# KiCad board RUSP_Mainboard_panelMockup.kicad_pcb (continued)
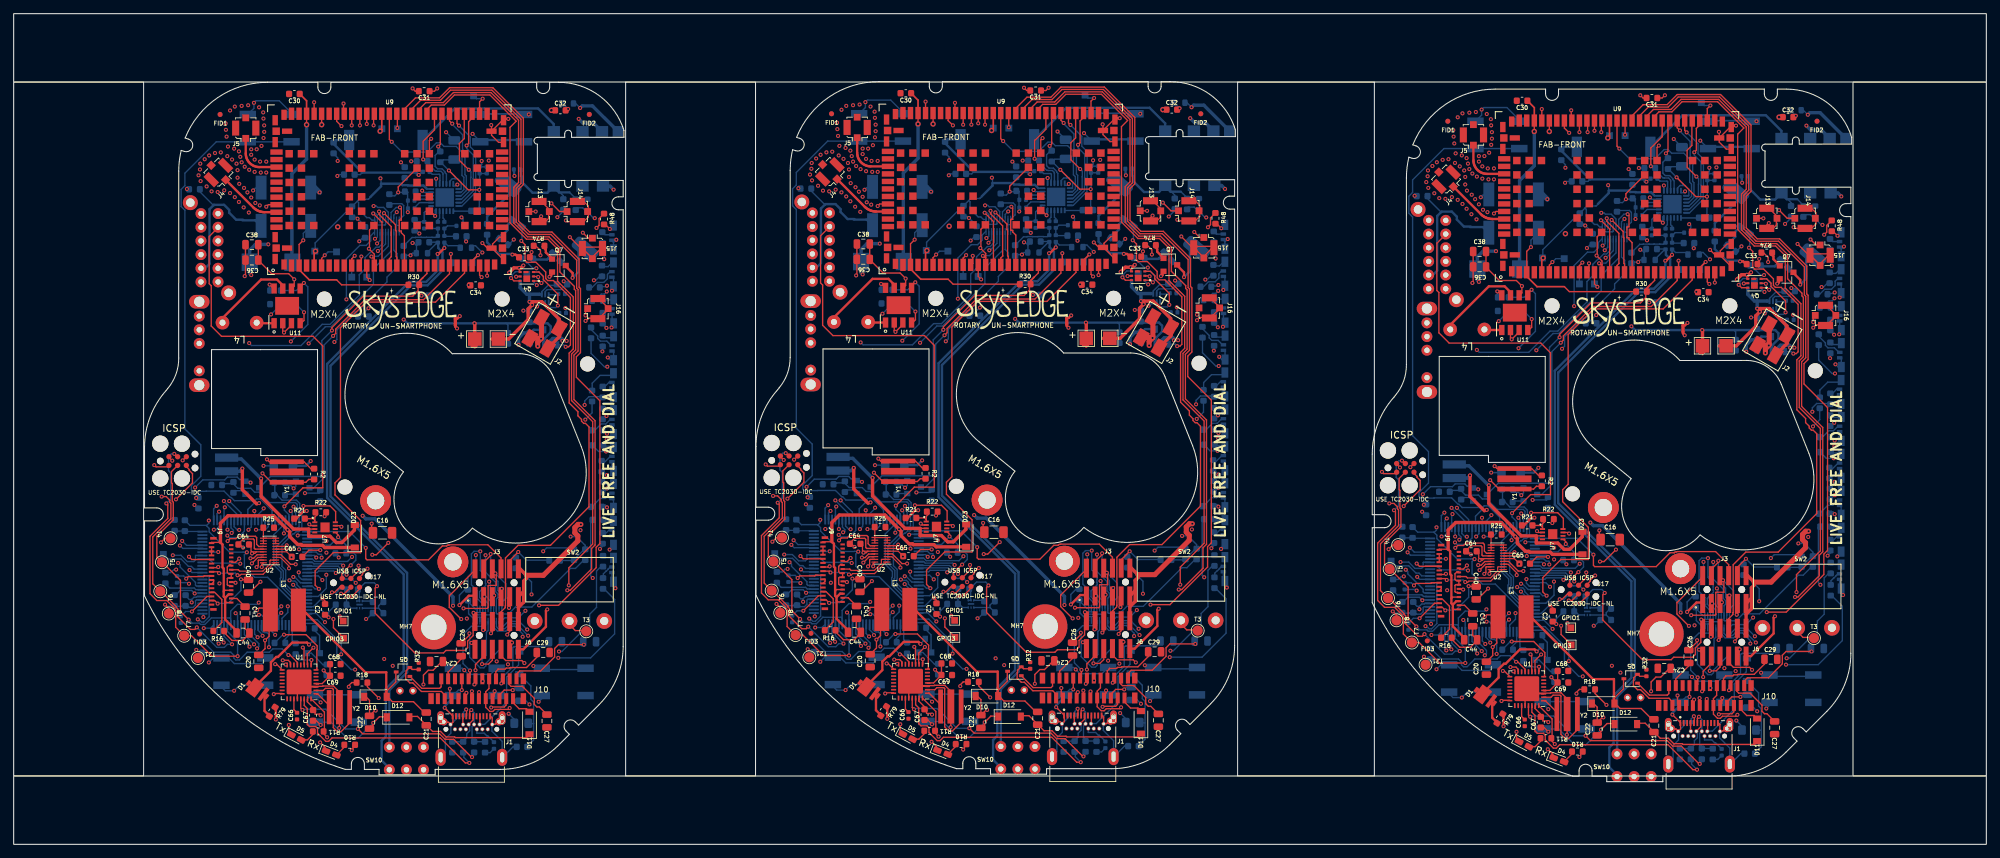
[diagram p0: board, top side]
## Routing (per net, layer and track width the routed paths; a pad name or vN(x,y) marks a point on that pad's centre or on a via; arc(x,y) is an arc through that point) (continued)
  L6_GND.Cu w0.2: v1(83.39,29.21) 83.39,29.66 83.34,29.71 ; v1(172.81,29.31) 172.81,29.76 172.76,29.81 ; v1(262.94,28.22) 262.94,28.67 262.89,28.72
/EPAPER DRIVER/VGH: length 32
  L1_GND+GNDA.Cu w0.2: J10#3.5 153.21,21.66 v1(153.21,22.86) ; v1(59.93,23.38) 59.93,24.75 60.64,25.46 61.34,25.46 62.69,26.81 ; v1(243.34,21.77) 243.34,20.57 J10#2.5 ; 242.24,25.82 240.89,24.47 240.19,24.47 239.48,23.75 v1(239.48,22.39) ; v1(149.35,23.48) 149.35,24.85 150.06,25.56 150.76,25.56 152.11,26.91 ; J10.5 63.79,21.56 v1(63.79,22.76)
  L3_3v8+GNDA.Cu w0.2: v1(149.35,23.48) 149.97,22.86 v1(153.21,22.86) ; v1(239.48,22.39) 240.1,21.77 v1(243.34,21.77) ; v1(59.93,23.38) 60.55,22.76 v1(63.79,22.76)
/EPAPER DRIVER/VGL: length 12.1
  L1_GND+GNDA.Cu w0.2: 65.44,27.46 65.44,27.11 63.54,25.21 63.54,24.21 ; J10#3.4 152.96,25.31 154.86,27.21 154.86,27.56 ; J10#2.4 243.09,24.22 244.99,26.12 244.99,26.47
/EPAPER DRIVER/VPP: length 11.9
  L1_GND+GNDA.Cu w0.2: J10#2.19 250.59,20.87 251.29,21.57 v1(252.54,21.57) ; J10.19 71.04,21.86 71.74,22.56 v1(72.99,22.56) ; J10#3.19 160.46,21.96 161.16,22.66 v1(162.41,22.66)
  L6_GND.Cu w0.2: v1(252.54,21.57) 252.84,21.87 253.59,21.87 ; v1(72.99,22.56) 73.29,22.86 74.04,22.86 ; 163.46,22.96 162.71,22.96 v1(162.41,22.66)
/EPAPER DRIVER/VSH: length 34.9
  L6_GND.Cu w0.2: v1(160.74,23.64) 160.74,24.36 162.42,26.04 162.42,28.85 162.56,28.99 162.68,28.99 162.73,29.04 167.19,29.04 167.81,29.66 ; 257.94,28.57 257.31,27.94 252.86,27.94 252.81,27.89 252.68,27.89 252.54,27.75 252.54,24.95 250.86,23.27 v1(250.86,22.54) ; v1(71.31,23.54) 71.31,24.26 73,25.94 73,28.75 73.13,28.89 73.26,28.89 73.31,28.94 77.76,28.94 78.39,29.56
/EPAPER DRIVER/VSL: length 25.7
  L1_GND+GNDA.Cu w0.2: C27.1 76.88,20.09 76.51,20.09 76.14,20.46 76.14,21.36 74.39,23.11 72.74,23.11 72.47,23.39 72.47,24.09 ; C27#3.1 166.3,20.19 165.93,20.19 165.56,20.56 165.56,21.46 163.81,23.21 162.16,23.21 161.89,23.49 161.89,24.19 ; 252.01,23.09 252.01,22.39 252.29,22.12 253.94,22.12 255.69,20.37 255.69,19.47 256.06,19.1 256.43,19.1 C27#2.1
/EPD_BUSY: length 143
  L1_GND+GNDA.Cu w0.2: J10.9 66.04,21.99 v1(66.21,22.16) ; J10#2.9 245.59,20.99 v1(245.76,21.16) ; v1(155.63,22.26) 155.46,22.09 J10#3.9
  L3_3v8+GNDA.Cu w0.2: v1(155.63,22.26) 155.33,21.96 150.06,21.96 145.05,26.96 144.16,26.96 143.71,26.51 138.7,26.51 v1(137.32,27.89) ; v1(47.9,27.79) 49.28,26.41 54.29,26.41 54.74,26.86 55.63,26.86 60.64,21.86 65.91,21.86 v1(66.21,22.16) ; v1(227.45,26.8) 228.83,25.42 233.84,25.42 234.29,25.87 235.18,25.87 240.19,20.86 245.46,20.86 v1(245.76,21.16)
  L6_GND.Cu w0.2: v1(47.9,27.79) 47.9,29.35 44.41,32.84 42.46,32.84 41.89,33.41 41.89,34.92 38.99,37.82 38.99,38.9 39.09,39 39.09,39.82 38.04,40.87 38.04,45.29 39.24,46.49 39.24,47.46 ; 218.79,46.47 218.79,45.5 217.59,44.3 217.59,39.88 218.64,38.83 218.64,38.01 218.54,37.91 218.54,36.83 221.44,33.93 221.44,32.42 222.01,31.84 223.96,31.84 227.45,28.36 v1(227.45,26.8) ; 128.66,47.56 128.66,46.59 127.46,45.39 127.46,40.97 128.51,39.92 128.51,39.1 128.41,39 128.41,37.92 131.31,35.02 131.31,33.51 131.89,32.94 133.83,32.94 137.32,29.45 v1(137.32,27.89)
/EPD_CS: length 187.7
  L3_3v8+GNDA.Cu w0.2: v1(40.93,49.39) 41.74,50.21 47.51,50.21 59.05,38.66 65.38,38.66 v1(69.01,42.29) ; v1(220.48,48.4) 221.29,49.21 227.06,49.21 238.6,37.67 244.93,37.67 v1(248.56,41.3) ; v1(130.35,49.49) 131.17,50.31 136.93,50.31 148.48,38.76 154.8,38.76 v1(158.43,42.39)
  L6_GND.Cu w0.18: U8#3.18 160.01,36 ; 70.59,33.79 70.59,34.45 ; U8#2.18 250.14,34.91 ; U8.18 70.59,35.9 ; 250.14,32.8 250.14,33.46 ; 160.01,33.89 160.01,34.55
  L6_GND.Cu w0.2: v1(220.48,48.4) 220.48,48.15 220.79,47.84 220.79,46.42 ; 250.14,32.8 250.24,32.7 251.91,32.7 252.93,33.72 255.34,33.72 260.99,39.37 261.71,39.37 263.14,40.79 ; v1(40.93,49.39) 40.93,49.14 41.24,48.83 41.24,47.41 ; v1(69.01,42.29) 69.01,39.79 70.47,38.32 70.47,36.98 70.83,36.63 70.83,36.13 70.59,35.9 ; 160.01,33.89 160.11,33.79 161.79,33.79 162.81,34.81 165.21,34.81 170.86,40.46 171.59,40.46 173.01,41.89 ; 70.59,33.79 70.69,33.69 72.36,33.69 73.38,34.71 75.79,34.71 81.44,40.36 82.17,40.36 83.59,41.79 ; 250.14,34.91 250.37,35.14 250.37,35.63 250.02,35.98 250.02,37.33 248.56,38.79 v1(248.56,41.3) ; v1(130.35,49.49) 130.35,49.24 130.66,48.93 130.66,47.51 ; v1(158.43,42.39) 158.43,39.89 159.9,38.42 159.9,37.08 160.25,36.73 160.25,36.24 160.01,36
/EPD_DC: length 120.6
  L3_3v8+GNDA.Cu w0.2: v1(158.96,38.52) 158.12,39.36 157.06,39.36 156.06,38.36 148.3,38.36 138.66,48.01 135.62,48.01 135.16,47.54 134.63,47.54 133.95,48.22 130.59,48.22 v1(129.94,48.86) ; v1(69.54,38.42) 68.7,39.26 67.64,39.26 66.64,38.26 58.88,38.26 49.24,47.91 46.2,47.91 45.73,47.44 45.21,47.44 44.53,48.12 41.16,48.12 v1(40.52,48.76) ; v1(220.07,47.77) 220.71,47.12 224.08,47.12 224.76,46.45 225.28,46.45 225.75,46.91 228.79,46.91 238.43,37.27 246.19,37.27 247.19,38.27 248.25,38.27 v1(249.09,37.43)
  L6_GND.Cu w0.18: U8.17 70.19,35.67 ; U8#3.17 159.61,35.77 ; U8#2.17 249.74,34.68
  L6_GND.Cu w0.2: v1(158.96,38.52) 159.12,38.36 159.12,36.26 159.61,35.77 ; v1(220.07,47.77) 220.29,47.55 220.29,46.42 ; 70.19,35.67 69.7,36.16 69.7,38.26 v1(69.54,38.42) ; v1(40.52,48.76) 40.74,48.54 40.74,47.41 ; 249.74,34.68 249.25,35.16 249.25,37.27 v1(249.09,37.43) ; v1(129.94,48.86) 130.16,48.64 130.16,47.51
/EPD_RESET: length 180.5
  L2_3v3+GNDA.Cu w0.2: 157.59,41.64 157.59,41.83 v1(157.01,42.41) ; 157.59,41.64 154.86,38.91 152.46,38.91 145.79,45.58 136.62,45.58 136.4,45.36 132.06,45.36 131.43,44.73 129.79,44.73 v1(128.94,45.58) ; 157.59,41.64 157.62,41.67 165.57,41.67 v1(166.86,42.96) ; v1(77.44,42.86) 76.15,41.57 68.2,41.57 68.17,41.54 ; 247.72,40.55 247.72,40.74 v1(247.14,41.32) ; 247.72,40.55 244.99,37.82 242.59,37.82 235.92,44.49 226.74,44.49 226.52,44.27 222.19,44.27 221.56,43.64 219.92,43.64 v1(219.07,44.49) ; 247.72,40.55 247.75,40.58 255.7,40.58 v1(256.99,41.87) ; v1(39.52,45.48) 40.37,44.63 42.01,44.63 42.64,45.26 46.98,45.26 47.2,45.48 56.37,45.48 63.04,38.81 65.44,38.81 68.17,41.54 ; 68.17,41.54 68.17,41.73 v1(67.59,42.31)
  L6_GND.Cu w0.18: U8.14 68.99,35.14 ; U8#2.14 248.54,34.15 ; U8#3.14 158.41,35.24
  L6_GND.Cu w0.2: v1(166.86,42.96) 167.36,43.46 171.35,43.46 ; v1(247.14,41.32) 247.14,38.82 246.49,38.17 246.49,36.97 247.34,36.12 247.34,34.97 247.98,34.34 248.35,34.34 248.54,34.15 ; 219.29,46.57 219.29,45.5 219.06,45.27 219.06,44.5 v1(219.07,44.49) ; v1(128.94,45.58) 128.93,45.59 128.93,46.37 129.16,46.6 129.16,47.66 ; v1(67.59,42.31) 67.59,39.82 66.94,39.17 66.94,37.96 67.79,37.11 67.79,35.97 68.43,35.33 68.8,35.33 68.99,35.14 ; 39.74,47.56 39.74,46.5 39.51,46.27 39.51,45.49 v1(39.52,45.48) ; 81.93,43.36 77.94,43.36 v1(77.44,42.86) ; 261.47,42.37 257.49,42.37 v1(256.99,41.87) ; v1(157.01,42.41) 157.01,39.92 156.36,39.27 156.36,38.06 157.21,37.21 157.21,36.07 157.85,35.43 158.22,35.43 158.41,35.24
/GPIO1: length 36.5
  L1_GND+GNDA.Cu w0.2: GPIO1.1 47.69,33.16 v1(47.69,33.35) ; GPIO1#3.1 137.11,33.26 v1(137.11,33.45) ; GPIO1#2.1 227.24,32.16 v1(227.24,32.35)
  L5_3v8.Cu w0.2: v1(219.64,33.82) 220.59,32.87 226.73,32.87 v1(227.24,32.35) ; v1(40.09,34.81) 41.04,33.86 47.18,33.86 v1(47.69,33.35) ; v1(129.51,34.91) 130.46,33.96 136.6,33.96 v1(137.11,33.45)
  L6_GND.Cu w0.2: v1(40.09,34.81) 40.09,33.91 39.24,33.06 39.24,32.11 ; v1(219.64,33.82) 219.64,32.92 218.79,32.07 218.79,31.12 ; 128.66,32.21 128.66,33.16 129.51,34.01 v1(129.51,34.91)
/GPIO3: length 50.1
  L1_GND+GNDA.Cu w0.2: 227.84,29.17 226.31,30.69 v1(226.31,31.97) ; v1(136.19,33.06) 136.19,31.79 137.71,30.26 ; v1(46.76,32.96) 46.76,31.69 48.29,30.16
  L5_3v8.Cu w0.2: v1(218.69,33.82) 219.59,32.92 219.59,31.35 220.02,30.92 225.26,30.92 v1(226.31,31.97) ; v1(136.19,33.06) 135.14,32.01 129.9,32.01 129.46,32.45 129.46,34.01 v1(128.56,34.91) ; v1(39.14,34.81) 40.04,33.91 40.04,32.35 40.48,31.91 45.71,31.91 v1(46.76,32.96)
  L6_GND.Cu w0.2: v1(218.69,33.82) 217.79,32.92 217.79,31.12 ; 127.66,32.21 127.66,34.01 v1(128.56,34.91) ; v1(39.14,34.81) 38.24,33.91 38.24,32.11
/GPIO4: length 19.4
  L6_GND.Cu w0.2: 111.41,42.46 112.04,41.83 113.9,41.83 114.97,40.76 115.4,40.76 115.8,40.36 117.01,40.36 ; 201.54,41.37 202.17,40.74 204.03,40.74 205.1,39.67 205.53,39.67 205.93,39.27 207.14,39.27 ; 21.99,42.36 22.62,41.73 24.48,41.73 25.55,40.66 25.98,40.66 26.38,40.26 27.59,40.26
/LED_1A: length 214.9
  L2_3v3+GNDA.Cu w0.2: v1(123.91,29.01) 123.91,28.36 127.12,25.15 129.75,25.15 130.41,25.81 133.5,25.81 136.96,29.27 144.44,29.27 147.39,26.31 153.12,26.31 154.42,27.61 157.26,27.61 157.46,27.81 161.35,27.81 161.57,27.59 168.86,27.59 v1(169.07,27.37) ; v1(34.49,28.91) 34.49,28.25 37.7,25.05 40.33,25.05 40.99,25.71 44.08,25.71 47.54,29.17 55.02,29.17 57.97,26.21 63.7,26.21 65,27.51 67.83,27.51 68.03,27.71 71.93,27.71 72.15,27.49 79.44,27.49 v1(79.65,27.27) ; v1(214.04,27.92) 214.04,27.26 217.25,24.05 219.87,24.05 220.54,24.72 223.63,24.72 227.08,28.17 234.56,28.17 237.52,25.22 243.25,25.22 244.55,26.52 247.38,26.52 247.58,26.72 251.48,26.72 251.7,26.49 258.99,26.49 v1(259.2,26.28)
  L6_GND.Cu w0.2: 175.66,37.56 177.31,35.91 177.31,30.89 173.8,27.37 v1(169.07,27.37) ; 86.24,37.46 87.89,35.81 87.89,30.79 84.38,27.27 v1(79.65,27.27) ; 212.79,31.12 212.79,29.17 v1(214.04,27.92) ; v1(123.91,29.01) 122.66,30.26 122.66,32.21 ; v1(34.49,28.91) 33.24,30.16 33.24,32.11 ; 265.79,36.47 267.44,34.82 267.44,29.79 263.93,26.28 v1(259.2,26.28)
/LED_1R: length 210.8
  L2_3v3+GNDA.Cu w0.2: v1(79.75,28.21) 79.38,27.84 72.3,27.84 72.07,28.06 67.89,28.06 67.69,27.86 64.85,27.86 63.56,26.56 58.12,26.56 55.16,29.52 47.39,29.52 43.94,26.06 40.84,26.06 40.18,25.4 37.84,25.4 35.04,28.2 35.04,29.14 v1(35.16,29.25) ; v1(259.3,27.22) 258.93,26.84 251.85,26.84 251.62,27.07 247.44,27.07 247.24,26.87 244.4,26.87 243.1,25.57 237.66,25.57 234.71,28.52 226.94,28.52 223.48,25.07 220.39,25.07 219.73,24.4 217.39,24.4 214.59,27.21 214.59,28.14 v1(214.71,28.26) ; v1(124.58,29.36) 124.46,29.24 124.46,28.3 127.26,25.5 129.6,25.5 130.27,26.16 133.36,26.16 136.81,29.62 144.58,29.62 147.54,26.66 152.98,26.66 154.28,27.96 157.11,27.96 157.31,28.16 161.49,28.16 161.72,27.94 168.8,27.94 v1(169.17,28.31)
  L6_GND.Cu w0.2: 84.24,31.56 84.24,33.66 85.24,34.66 85.24,39.98 86.19,40.93 ; v1(259.3,27.22) 259.73,27.22 263.06,30.55 263.79,30.55 ; 263.79,30.57 263.79,32.67 264.79,33.67 264.79,38.98 265.74,39.93 ; 33.74,32.11 33.74,30.67 v1(35.16,29.25) ; 213.29,31.12 213.29,29.68 v1(214.71,28.26) ; 173.66,31.66 173.66,33.76 174.66,34.76 174.66,40.08 175.61,41.03 ; v1(124.58,29.36) 123.16,30.77 123.16,32.21 ; v1(169.17,28.31) 169.6,28.31 172.93,31.64 173.66,31.64 ; v1(79.75,28.21) 80.18,28.21 83.51,31.54 84.24,31.54
/LED_2A: length 210.3
  L2_3v3+GNDA.Cu w0.2: v1(215.15,27.66) 215.15,27.14 217.54,24.75 219.58,24.75 220.25,25.42 223.34,25.42 226.79,28.87 234.85,28.87 237.81,25.92 242.96,25.92 244.26,27.22 247.09,27.22 247.29,27.42 251.76,27.42 251.99,27.19 254.51,27.19 258.69,31.37 258.69,32.07 260.89,34.27 262.09,34.27 265.29,37.47 v1(265.29,42.22) ; v1(175.16,43.31) 175.16,38.56 171.96,35.36 170.76,35.36 168.56,33.16 168.56,32.46 164.39,28.29 161.86,28.29 161.64,28.51 157.17,28.51 156.97,28.31 154.13,28.31 152.83,27.01 147.68,27.01 144.73,29.97 136.67,29.97 133.21,26.51 130.12,26.51 129.46,25.85 127.41,25.85 125.02,28.24 v1(125.02,28.75) ; v1(35.6,28.65) 35.6,28.14 37.99,25.75 40.04,25.75 40.7,26.41 43.79,26.41 47.25,29.87 55.31,29.87 58.26,26.91 63.41,26.91 64.71,28.21 67.54,28.21 67.74,28.41 72.22,28.41 72.44,28.19 74.96,28.19 79.14,32.36 79.14,33.06 81.34,35.26 82.54,35.26 85.74,38.46 v1(85.74,43.21)
  L6_GND.Cu w0.2: 34.24,32.11 34.24,30.96 35.85,29.35 35.85,28.9 v1(35.6,28.65) ; v1(125.02,28.75) 125.27,29 125.27,29.45 123.66,31.06 123.66,32.21 ; v1(215.15,27.66) 215.4,27.9 215.4,28.36 213.79,29.97 213.79,31.12 ; v1(265.29,42.22) 265.79,42.72 265.79,43.17 ; v1(175.16,43.31) 175.66,43.81 175.66,44.26 ; 86.24,44.16 86.24,43.71 v1(85.74,43.21)
/LED_2R: length 202.8
  L2_3v3+GNDA.Cu w0.2: v1(84.69,38.96) 84.27,38.96 78.79,33.49 78.79,32.51 74.82,28.54 72.59,28.54 72.36,28.76 67.6,28.76 67.4,28.56 64.57,28.56 63.27,27.26 58.41,27.26 55.45,30.22 41.22,30.22 40.43,29.42 37.15,29.42 37.03,29.3 36.47,29.3 36.19,29.57 36.19,29.79 v1(35.68,30.3) ; v1(174.11,39.06) 173.69,39.06 168.21,33.59 168.21,32.61 164.24,28.64 162.01,28.64 161.78,28.86 157.02,28.86 156.82,28.66 153.99,28.66 152.69,27.36 147.83,27.36 144.87,30.32 130.65,30.32 129.85,29.52 126.58,29.52 126.45,29.4 125.89,29.4 125.61,29.67 125.61,29.89 v1(125.1,30.4) ; v1(215.23,29.31) 215.74,28.79 215.74,28.58 216.02,28.3 216.58,28.3 216.7,28.43 219.98,28.43 220.77,29.22 235,29.22 237.95,26.27 242.81,26.27 244.11,27.57 246.95,27.57 247.15,27.77 251.91,27.77 252.14,27.54 254.37,27.54 258.34,31.51 258.34,32.49 263.81,37.97 v1(264.24,37.97)
  L6_GND.Cu w0.2: 35.24,32.11 35.24,30.74 v1(35.68,30.3) ; v1(215.23,29.31) 214.79,29.74 214.79,31.12 ; v1(125.1,30.4) 124.66,30.84 124.66,32.21 ; v1(84.69,38.96) 84.39,39.26 84.39,47.31 84.64,47.56 ; 174.06,47.66 173.81,47.41 173.81,39.36 v1(174.11,39.06) ; 264.19,46.57 263.94,46.32 263.94,38.27 v1(264.24,37.97)
/LED_3A: length 206.2
  L2_3v3+GNDA.Cu w0.2: v1(125.82,30.6) 126.44,30.6 127.08,29.96 129.02,29.96 129.73,30.67 145.02,30.67 147.97,27.71 152.54,27.71 153.84,29.01 156.63,29.01 156.83,29.21 161.93,29.21 162.15,28.99 164.1,28.99 167.66,32.55 167.66,33.76 173.97,40.06 173.97,42.91 176.19,45.13 v1(176.19,49.39) ; v1(86.77,49.29) 86.77,45.03 84.55,42.81 84.55,39.96 78.24,33.66 78.24,32.45 74.68,28.89 72.73,28.89 72.51,29.11 67.4,29.11 67.2,28.91 64.42,28.91 63.12,27.61 58.55,27.61 55.6,30.57 40.31,30.57 39.6,29.86 37.66,29.86 37.02,30.5 v1(36.4,30.5) ; v1(266.32,48.3) 266.32,44.04 264.09,41.81 264.09,38.97 257.79,32.66 257.79,31.46 254.22,27.89 252.28,27.89 252.05,28.12 246.95,28.12 246.75,27.92 243.97,27.92 242.67,26.62 238.1,26.62 235.14,29.57 219.86,29.57 219.15,28.87 217.21,28.87 216.57,29.51 v1(215.95,29.51)
  L6_GND.Cu w0.2: v1(176.19,49.39) 176.19,49.46 175.94,49.71 175.66,49.71 ; 86.24,49.61 86.52,49.61 86.77,49.36 v1(86.77,49.29) ; v1(266.32,48.3) 266.32,48.37 266.07,48.62 265.79,48.62 ; v1(215.95,29.51) 215.95,29.65 215.29,30.31 215.29,31.07 ; 35.74,32.06 35.74,31.3 36.4,30.64 v1(36.4,30.5) ; 125.16,32.16 125.16,31.4 125.82,30.74 v1(125.82,30.6)
/LED_3R: length 249.1
  L3_3v8+GNDA.Cu w0.2: v1(30.04,48.66) 32.84,48.66 33.29,48.21 35.25,48.21 36.95,46.51 38.09,46.51 38.97,45.63 38.97,45.26 39.29,44.93 39.67,44.93 41.08,43.52 41.08,42.31 41.79,41.6 41.79,40.81 44.69,37.91 44.87,37.91 45.19,37.59 45.19,37.41 47.08,35.52 52.76,35.52 53.03,35.79 65.71,35.79 67.09,34.41 67.47,34.41 67.77,34.11 71.16,34.11 75.66,38.61 84.23,38.61 84.43,38.41 85.51,38.41 88.19,41.09 88.19,50.64 v1(86.77,52.06) ; v1(209.59,47.67) 212.39,47.67 212.84,47.22 214.79,47.22 216.49,45.52 217.64,45.52 218.52,44.64 218.52,44.26 218.84,43.94 219.22,43.94 220.63,42.53 220.63,41.31 221.34,40.6 221.34,39.82 224.24,36.92 224.42,36.92 224.74,36.59 224.74,36.42 226.63,34.53 232.31,34.53 232.58,34.8 245.26,34.8 246.64,33.42 247.02,33.42 247.32,33.12 250.71,33.12 255.21,37.62 263.77,37.62 263.97,37.42 265.06,37.42 267.74,40.1 267.74,49.65 v1(266.32,51.07) ; v1(176.19,52.16) 177.61,50.74 177.61,41.19 174.93,38.51 173.85,38.51 173.65,38.71 165.08,38.71 160.58,34.21 157.19,34.21 156.9,34.51 156.51,34.51 155.13,35.89 142.46,35.89 142.19,35.62 136.5,35.62 134.61,37.51 134.61,37.69 134.29,38.01 134.11,38.01 131.21,40.91 131.21,41.7 130.5,42.41 130.5,43.62 129.09,45.04 128.71,45.04 128.39,45.36 128.39,45.73 127.51,46.61 126.37,46.61 124.67,48.31 122.71,48.31 122.26,48.76 v1(119.46,48.76)
  L6_GND.Cu w0.2: 265.79,50.73 265.98,50.73 v1(266.32,51.07) ; 175.81,51.81 175.46,51.46 ; v1(209.59,47.67) 209.29,47.37 209.29,46.42 ; v1(30.04,48.66) 29.74,48.36 29.74,47.41 ; v1(176.19,52.16) 175.86,51.83 175.66,51.83 ; 119.16,47.51 119.16,48.46 v1(119.46,48.76) ; 265.94,50.72 265.59,50.37 ; v1(86.77,52.06) 86.43,51.73 86.24,51.73 ; 86.39,51.71 86.04,51.36
/LED_4A: length 232.3
  L2_3v3+GNDA.Cu w0.2: v1(212.69,40.06) 212.69,39.87 214.09,38.47 215.88,38.47 217.88,36.47 220.06,36.47 222.9,33.63 228.6,33.63 228.66,33.57 232.8,33.57 233.85,34.62 246.84,34.62 247.94,33.52 251.21,33.52 251.44,33.75 251.44,33.82 251.76,34.14 251.96,34.14 255.22,37.4 259.13,37.4 265.77,44.04 265.77,49.13 266.87,50.23 266.87,52.47 v1(266.32,53.02) ; v1(176.19,54.11) 176.74,53.56 176.74,51.33 175.64,50.23 175.64,45.13 169,38.49 165.09,38.49 161.83,35.23 161.64,35.23 161.32,34.91 161.32,34.84 161.09,34.61 157.81,34.61 156.71,35.71 143.72,35.71 142.67,34.66 138.53,34.66 138.47,34.73 132.77,34.73 129.94,37.56 127.75,37.56 125.75,39.56 123.96,39.56 122.56,40.96 v1(122.56,41.15) ; v1(86.77,54.01) 87.32,53.46 87.32,51.23 86.22,50.13 86.22,45.03 79.58,38.39 75.67,38.39 72.41,35.13 72.22,35.13 71.89,34.81 71.89,34.74 71.66,34.51 68.39,34.51 67.29,35.61 54.3,35.61 53.25,34.56 49.11,34.56 49.05,34.63 43.35,34.63 40.51,37.46 38.33,37.46 36.33,39.46 34.54,39.46 33.14,40.86 v1(33.14,41.05)
  L6_GND.Cu w0.2: 86.24,54.54 v1(86.77,54.01) ; 175.66,54.64 v1(176.19,54.11) ; v1(122.56,41.15) 122.47,41.24 118.58,41.24 117.96,41.86 117.01,41.86 ; v1(212.69,40.06) 212.6,40.15 208.71,40.15 208.09,40.77 207.14,40.77 ; 265.79,53.55 v1(266.32,53.02) ; v1(33.14,41.05) 33.05,41.14 29.16,41.14 28.54,41.76 27.59,41.76
/LED_4R: length 207.6
  L2_3v3+GNDA.Cu w0.2: v1(176.06,57.56) 175.59,57.09 175.59,50.67 175.19,50.27 175.19,45.18 168.86,38.84 164.94,38.84 161.68,35.58 161.49,35.58 160.87,34.96 157.96,34.96 156.86,36.06 143.58,36.06 142.53,35.01 138.68,35.01 138.61,35.08 134.46,35.08 v1(130.32,39.21) ; v1(266.19,56.47) 265.71,55.99 265.71,49.57 265.32,49.17 265.32,44.08 258.98,37.75 255.07,37.75 251.81,34.49 251.62,34.49 251,33.87 248.09,33.87 246.99,34.97 233.7,34.97 232.65,33.92 228.81,33.92 228.74,33.98 224.58,33.98 v1(220.45,38.12) ; v1(86.64,57.46) 86.16,56.99 86.16,50.57 85.77,50.17 85.77,45.07 79.43,38.74 75.52,38.74 72.26,35.48 72.07,35.48 71.45,34.86 68.54,34.86 67.44,35.96 54.15,35.96 53.1,34.91 49.26,34.91 49.19,34.98 45.03,34.98 v1(40.9,39.11)
  L6_GND.Cu w0.2: 174.06,58.46 174.96,57.56 v1(176.06,57.56) ; 264.19,57.37 265.09,56.47 v1(266.19,56.47) ; 42.89,38.26 41.94,38.26 41.09,39.11 v1(40.9,39.11) ; v1(220.45,38.12) 220.64,38.12 221.49,37.27 222.44,37.27 ; 84.64,58.36 85.54,57.46 v1(86.64,57.46) ; 132.31,38.36 131.36,38.36 130.51,39.21 v1(130.32,39.21)
/LED_5A: length 208.6
  L2_3v3+GNDA.Cu w0.2: v1(86.77,60.06) 86.35,60.06 86.09,59.8 86.09,58.33 85.81,58.06 85.81,50.71 85.42,50.31 85.42,45.22 79.29,39.09 75.38,39.09 72.12,35.83 71.93,35.83 71.3,35.21 68.68,35.21 67.58,36.31 54.01,36.31 52.96,35.26 49.4,35.26 49.34,35.33 46.57,35.33 46.57,35.43 45.19,36.81 45.19,37.59 42.99,39.79 v1(41.69,39.79) ; v1(221.24,38.79) 222.54,38.79 224.74,36.59 224.74,35.82 226.12,34.43 226.12,34.33 228.89,34.33 228.95,34.27 232.51,34.27 233.56,35.32 247.13,35.32 248.23,34.22 250.85,34.22 251.47,34.84 251.67,34.84 254.92,38.1 258.84,38.1 264.97,44.23 264.97,49.32 265.36,49.72 265.36,57.06 265.64,57.34 265.64,58.81 265.89,59.06 v1(266.32,59.06) ; v1(176.19,60.16) 175.77,60.16 175.51,59.9 175.51,58.43 175.24,58.16 175.24,50.81 174.84,50.41 174.84,45.32 168.71,39.19 164.8,39.19 161.54,35.93 161.35,35.93 160.73,35.31 158.1,35.31 157,36.41 143.43,36.41 142.38,35.36 138.82,35.36 138.76,35.43 136,35.43 136,35.53 134.61,36.91 134.61,37.69 132.42,39.89 v1(131.11,39.89)
  L6_GND.Cu w0.2: v1(131.11,39.89) 131.11,39.28 131.53,38.86 132.31,38.86 ; v1(266.32,59.06) 265.92,59.47 265.74,59.47 ; v1(221.24,38.79) 221.24,38.18 221.65,37.77 222.44,37.77 ; v1(41.69,39.79) 41.69,39.18 42.1,38.76 42.89,38.76 ; v1(176.19,60.16) 175.79,60.56 175.61,60.56 ; v1(86.77,60.06) 86.37,60.46 86.19,60.46
/LED_5R: length 201.1
  L2_3v3+GNDA.Cu w0.2: v1(176.12,62.75) 174.89,61.51 174.89,50.96 174.49,50.56 174.49,45.47 168.57,39.54 161.93,39.54 159.36,36.98 157.99,36.98 157.78,36.76 143.29,36.76 142.24,35.71 138.97,35.71 138.9,35.78 136.35,35.78 134.96,37.16 134.96,37.83 134.56,38.23 v1(134.56,38.76) ; v1(45.14,38.66) 45.14,38.13 45.54,37.73 45.54,37.06 46.93,35.68 49.48,35.68 49.55,35.61 52.81,35.61 53.86,36.66 68.35,36.66 68.57,36.88 69.94,36.88 72.5,39.44 79.14,39.44 85.07,45.36 85.07,50.46 85.46,50.86 85.46,61.41 v1(86.7,62.65) ; v1(266.25,61.65) 265.01,60.42 265.01,49.86 264.62,49.46 264.62,44.37 258.69,38.45 252.05,38.45 249.49,35.88 248.12,35.88 247.9,35.67 233.41,35.67 232.36,34.62 229.09,34.62 229.03,34.68 226.47,34.68 225.09,36.07 225.09,36.74 224.69,37.14 v1(224.69,37.67)
  L6_GND.Cu w0.2: v1(86.7,62.65) 86.53,62.48 86.14,62.48 ; v1(266.25,61.65) 266.08,61.48 265.69,61.48 ; 222.44,38.27 224.09,38.27 v1(224.69,37.67) ; v1(134.56,38.76) 133.96,39.36 132.31,39.36 ; v1(45.14,38.66) 44.54,39.26 42.89,39.26 ; 175.56,62.58 175.95,62.58 v1(176.12,62.75)
/LED_6A: length 211.7
  L2_3v3+GNDA.Cu w0.2: v1(83.5,64.27) 85.11,62.66 85.11,51 84.72,50.6 84.72,45.51 79,39.79 71.93,39.79 69.41,37.28 68.48,37.28 68.26,37.06 53.77,37.06 52.73,36.03 51.11,36.03 49.15,37.99 49.15,38.52 48.86,38.8 47.99,38.8 v1(47.11,39.68) ; v1(226.66,38.69) 227.54,37.81 228.41,37.81 228.7,37.52 228.7,37 230.66,35.03 232.28,35.03 233.32,36.07 247.81,36.07 248.03,36.29 248.96,36.29 251.47,38.8 258.55,38.8 264.27,44.52 264.27,49.61 264.66,50.01 264.66,61.66 v1(263.05,63.27) ; v1(136.53,39.79) 137.41,38.9 138.28,38.9 138.57,38.62 138.57,38.09 140.53,36.13 142.16,36.13 143.19,37.16 157.68,37.16 157.9,37.38 158.84,37.38 161.35,39.89 168.42,39.89 174.14,45.61 174.14,50.7 174.54,51.1 174.54,62.76 v1(172.93,64.37)
  L6_GND.Cu w0.2: v1(226.66,38.69) 226.36,38.99 224.15,38.99 223.93,38.77 222.44,38.77 ; v1(47.11,39.68) 46.81,39.98 44.6,39.98 44.38,39.76 42.89,39.76 ; 132.31,39.86 133.8,39.86 134.02,40.08 136.24,40.08 v1(136.53,39.79) ; 85.86,65.48 84.14,65.48 83.5,64.84 v1(83.5,64.27) ; v1(263.05,63.27) 263.05,63.85 263.69,64.48 265.4,64.48 ; v1(172.93,64.37) 172.93,64.94 173.56,65.58 175.28,65.58
/LED_6R: length 202.7
  L2_3v3+GNDA.Cu w0.2: v1(139.44,38.35) 139.44,37.93 140.9,36.48 142.01,36.48 143.05,37.51 155.44,37.51 158.2,40.27 168.31,40.27 173.71,45.68 173.71,50.77 174.19,51.25 174.19,61.06 v1(173.02,62.22) ; v1(229.57,37.26) 229.57,36.83 231.02,35.38 232.14,35.38 233.17,36.42 245.57,36.42 248.33,39.18 258.43,39.18 263.84,44.58 263.84,49.68 264.31,50.15 264.31,59.96 v1(263.15,61.13) ; v1(50.02,38.25) 50.02,37.83 51.47,36.38 52.59,36.38 53.62,37.41 66.02,37.41 68.78,40.17 78.88,40.17 84.29,45.58 84.29,50.67 84.76,51.15 84.76,60.96 v1(83.6,62.12)
  L6_GND.Cu w0.2: v1(263.15,61.13) 264.14,62.12 R62#2.2 ; v1(139.44,38.35) 138.89,38.9 137.95,38.9 137.55,39.3 137.55,39.54 136.66,40.43 132.38,40.43 132.31,40.36 ; 42.89,40.26 42.96,40.33 47.24,40.33 48.13,39.44 48.13,39.2 48.53,38.8 49.47,38.8 v1(50.02,38.25) ; v1(229.57,37.26) 229.02,37.81 228.07,37.81 227.68,38.2 227.68,38.45 226.79,39.34 222.51,39.34 222.44,39.27 ; R62#3.2 174.01,63.21 v1(173.02,62.22) ; R62.2 84.59,63.11 v1(83.6,62.12)
/LED_7A: length 234.2
  L2_3v3+GNDA.Cu w0.2: v1(266.37,68.87) 262.49,64.99 262.49,61.01 262.92,60.58 263.2,60.58 263.96,59.82 263.96,50.3 263.49,49.82 263.49,44.73 258.29,39.53 248.18,39.53 245.42,36.77 233.69,36.77 232.99,37.47 231.79,37.47 231.75,37.43 230.46,37.43 229.97,37.92 228.8,37.92 228.26,38.45 v1(228.23,38.45) ; v1(138.1,39.55) 138.13,39.55 138.67,39.01 139.85,39.01 140.33,38.52 141.62,38.52 141.66,38.56 142.86,38.56 143.56,37.86 155.3,37.86 158.06,40.62 168.16,40.62 173.36,45.82 173.36,50.92 173.84,51.39 173.84,60.91 173.08,61.67 172.79,61.67 172.36,62.11 172.36,66.08 v1(176.24,69.96) ; v1(48.68,39.45) 48.71,39.45 49.25,38.91 50.42,38.91 50.91,38.42 52.2,38.42 52.24,38.46 53.44,38.46 54.14,37.76 65.87,37.76 68.63,40.52 78.74,40.52 83.94,45.72 83.94,50.82 84.41,51.29 84.41,60.81 83.66,61.57 83.37,61.57 82.94,62 82.94,65.98 v1(86.82,69.86)
  L6_GND.Cu w0.2: v1(228.23,38.45) 227,39.69 222.52,39.69 222.44,39.77 ; 42.89,40.76 42.97,40.68 47.45,40.68 v1(48.68,39.45) ; v1(176.24,69.96) 175.81,69.96 173.86,71.91 173.86,74.46 ; 84.44,74.36 84.44,71.81 86.39,69.86 v1(86.82,69.86) ; v1(266.37,68.87) 265.94,68.87 263.99,70.82 263.99,73.37 ; v1(138.1,39.55) 136.87,40.78 132.39,40.78 132.31,40.86
/LED_7R: length 227.2
  L2_3v3+GNDA.Cu w0.2: v1(175.52,72.2) 175.52,70.4 172.01,66.89 172.01,61.96 172.65,61.32 172.9,61.32 173.49,60.74 173.49,51.54 173.01,51.06 173.01,45.97 168.02,40.97 157.91,40.97 155.15,38.21 151.27,38.21 151.02,38.46 145.26,38.46 143.76,39.96 142.39,39.96 141.39,40.96 140.93,40.96 139.93,39.96 138.52,39.96 v1(137.61,40.87) ; v1(227.74,39.77) 228.64,38.87 230.06,38.87 231.06,39.87 231.52,39.87 232.52,38.87 233.89,38.87 235.39,37.37 241.14,37.37 241.39,37.12 245.28,37.12 248.04,39.88 258.14,39.88 263.14,44.87 263.14,49.97 263.61,50.44 263.61,59.64 263.03,60.23 262.78,60.23 262.14,60.87 262.14,65.79 265.65,69.3 v1(265.65,71.11) ; v1(86.1,72.1) 86.1,70.3 82.59,66.79 82.59,61.86 83.23,61.22 83.48,61.22 84.06,60.64 84.06,51.44 83.59,50.96 83.59,45.87 78.59,40.87 68.49,40.87 65.73,38.11 61.85,38.11 61.59,38.36 55.84,38.36 54.34,39.86 52.97,39.86 51.97,40.86 51.51,40.86 50.51,39.86 49.09,39.86 v1(48.19,40.76)
  L6_GND.Cu w0.2: v1(48.19,40.76) 47.93,41.03 43.9,41.03 43.67,41.26 42.89,41.26 ; 222.44,40.27 223.22,40.27 223.45,40.04 227.47,40.04 v1(227.74,39.77) ; v1(175.52,72.2) 175.56,72.24 175.56,73.23 ; 86.14,73.13 86.14,72.14 v1(86.1,72.1) ; v1(137.61,40.87) 137.35,41.13 133.32,41.13 133.09,41.36 132.31,41.36 ; 265.69,72.13 265.69,71.15 v1(265.65,71.11)
